# Altium PCB PCB v0.3.PcbDoc (part 2 of 2) (continued)
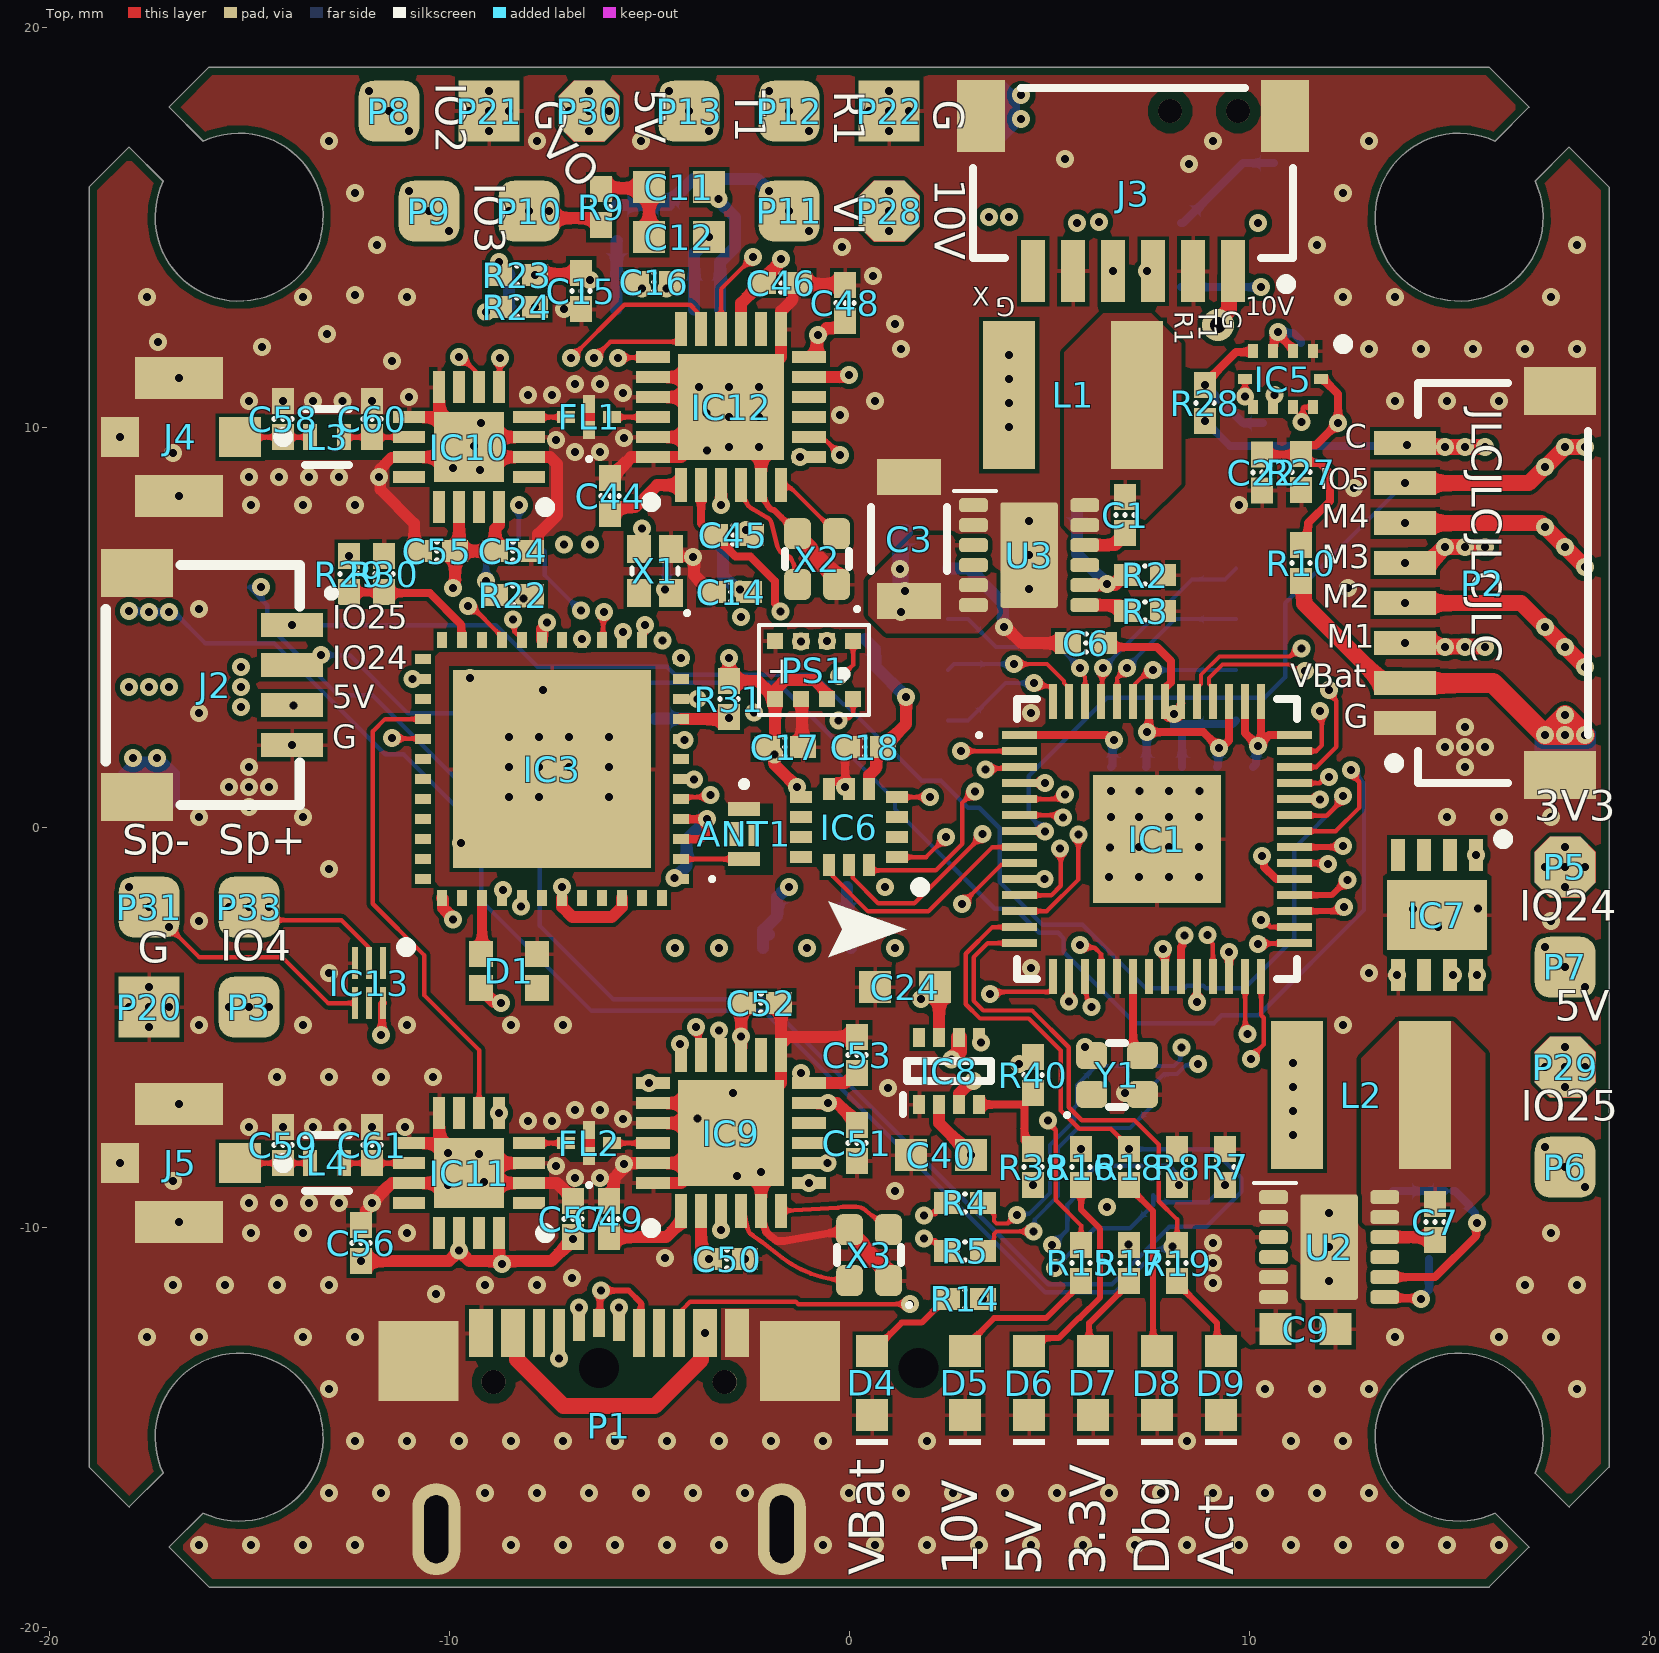
[diagram p0: Top view]
## Nets (pads, with @x,y where several pads share a name; then routed paths per layer and width w, separated by ;. In a path a pad name is that pad's centre, name@x,y a point inside that pad or via, vN(x,y) a via of type N, cw(c..) or ccw(c..) an arc to the next point about the centre after c; other vN are vias at no path point) (continued)
M4: IC1.35 P2.6 P19.1 | length 14.9
  Top w0.15: IC1.35@11.138,-0.5 12.311,-0.5 v1(12.345,-0.467)
  Top w0.4: v1(13.9,7.6) 17.3,7.6 v1(18.4,6.5)
  Signal 3 w0.15: v1(12.345,-0.467) 12.405,-0.467 12.975,0.103 12.975,6.675 v1(13.9,7.6)
  other v1: 17.9,7 17.4,7.5
NetANT1_4: ANT1.4 IC3.2 | length 1.6
  Top w0.125: IC3.2@-4.2,-0.8 ANT1.4@-2.625,-0.8
NetC1_1: C1.1 U3.9 | length 1.2
  Top w0.3: U3.9@5.89,7.05 6.65,7.05 6.9,7.3 C1.1@6.9,7.35
NetC1_2: C1.2 L1.1 U3.7 U3.8
NetC7_1: C7.1 U2.9 | length 1.3
  Top w0.3: U2.9@13.39,-10.25 14.575,-10.25 C7.1@14.65,-10.325
NetC7_2: C7.2 L2.1 U2.7 U2.8
NetC11_1: C11.1 IC4.26 | length 3.1
  Bottom w0.3: v1(-3.272,15.706) -3.272,15.665 -2.85,15.244 -2.85,14.503 -3.225,14.128 IC4.26@-3.225,12.938
NetC11_2: C11.2 C12.2 R9.2 | length 2.5
  Top w0.3: R9.2@-6.2,15.95 -6.175,15.975 -5.025,15.975 C11.2@-5,16 C12.2@-5,14.75
NetC12_1: C12.1 IC4.25 | length 2
  Bottom w0.3: IC4.25@-3.875,12.938 -3.875,14.334 -3.5,14.709 v1(-3.5,14.75)
NetC13_1: C13.1 IC4.22 | length 1.7
  Bottom w0.3: IC4.22@-5.825,12.938 -5.813,12.95 -5.813,14.638 C13.1@-5.8,14.65
NetC23_2: C23.2 C25.2 IC1.23 IC1.45 IC1.50 | length 11.6
  Top w0.2: IC1.50@7.5,3.138 7.5,2.493 7.45,2.443 v1(7.45,2.375) 8.857,2.375 8.874,2.358 v1(9.25,1.982) ; IC1.23@8.3,-3.738 8.3,-3.001 8.338,-2.963 8.338,-2.756 v1(8.386,-2.709) ; v1@9.25,1.918 9.5,2.168 IC1.45@9.5,3.138
  Power 5/VBat w0.2: v1(8.386,-2.709) 8.386,-2.641 8.51,-2.516 8.51,-2.513 9.25,-1.773 v1(9.25,1.982)
  Bottom w0.2: C25.2@7.425,1.5 7.438,1.512 7.438,2.363 v1(7.45,2.375) ; C23.2@9.2,1.5 9.225,1.525 9.225,1.957 v1(9.25,1.982)
NetC31_1: C31.1 IC3.9 R31.1 | length 3.1
  Top w0.3: IC3.9@-4.2,2.7 -3.05,2.7 R31.1@-3,2.75 v1(-3,2.725)
  Bottom w0.3: C31.1@-4.85,2.7 -4.837,2.712 -4.01,2.712 -3.997,2.7 -3.025,2.7 v1(-3,2.725)
NetC44_2: C44.2 IC12.1 | length 2.1
  Top w0.3: C44.2@-5.975,7.825 -5.975,7.875 -5.85,8 -5.35,8 -4.8,8.55 IC12.1@-4.2,8.55
NetC45_2: C45.2 C48.2 IC12.2 IC12.12 | length 13.2
  Top w0.2: IC12.2@-3.7,8.55 -3.7,7.592 -3.583,7.475 -3.525,7.475 C45.2@-3.35,7.3 -3.3,7.3 -3.125,7.125 -3.125,7.054 -2.838,6.767 -2.471,6.767 -1.852,6.148 -1.852,5.595 -1.718,5.461 v1(-1.718,5.394)
  Top w0.3: IC12.12@-1,11.75 -0.804,11.75 -0.804,12.273 v1(-0.775,12.302) ; v1@-0.775,12.3 -0.736,12.3 -0.561,12.475 -0.225,12.475 -0.1,12.6 C48.2@-0.1,12.65
  Power 5/VBat w0.2: v1(-1.718,5.394) -1.718,5.461 -0.775,6.404 v1(-0.775,12.302)
NetC49_2: C49.2 IC9.1 | length 2.2
  Top w0.3: C49.2@-6,-10.25 -4.575,-10.25 -4.2,-9.875 IC9.1@-4.2,-9.6
NetC50_2: C50.2 C53.2 IC9.2 IC9.12 | length 8.8
  Top w0.3: IC9.2@-3.7,-9.6 -3.7,-10.65 -3.55,-10.8 v1(-3.5,-10.8) ; v1(-1.198,-6.152) -1.17,-6.181 -1.17,-6.4 -0.101,-6.4 -0.026,-6.325 0.075,-6.325 0.2,-6.2 C53.2@0.2,-6.15
  Power 5/VBat w0.3: v1(-3.5,-10.8) -3.5,-10.759 -3.7,-10.559 -3.7,-8.654 -2.424,-7.378 v1(-1.198,-6.152)
NetC58_1: C58.1 J4.1 L3.2 | length 1.8
  Top w0.125: J4.1@-15.225,9.75 C58.1@-14.15,9.75 L3.2@-13.475,9.75
NetC59_1: C59.1 J5.1 L4.2 | length 1.7
  Top w0.125: J5.1@-15.225,-8.4 L4.2@-13.475,-8.4
NetC60_1: C60.1 IC10.10 L3.1 | length 1.6
  Top w0.125: L3.1@-12.625,9.75 C60.1@-11.925,9.75 IC10.10@-11,9.75
NetC61_1: C61.1 IC11.10 L4.1 | length 1.6
  Top w0.125: L4.1@-12.625,-8.4 IC11.10@-11,-8.4
NetD1_4: D1.4 IC3.39 | length 1.4
  Top w0.25: D1.4@-9.2,-3.175 -9.175,-3.15 IC3.39@-9.175,-1.775
NetD4_2: D4.2 R14.1 | length 2.4
  Top w0.15: D4.2@0.6,-13.1 1.312,-12.387 1.813,-12.387 2.4,-11.8 R14.1@2.45,-11.8
NetD5_2: D5.2 R15.1 | length 3.8
  Top w0.15: D5.2@2.8,-13.1 3.623,-12.277 4.923,-12.277 5.8,-11.4 R15.1@5.8,-11.35
NetD6_2: D6.2 R16.1 | length 5.4
  Top w0.15: D6.2@4.4,-13.1 4.725,-12.775 5.239,-12.775 5.747,-12.267 5.769,-12.267 6.277,-11.759 6.277,-10.041 5.8,-9.564 R16.1@5.8,-8.95
NetD7_2: D7.2 R17.1 | length 2.2
  Top w0.15: D7.2@6,-13.1 6,-12.4 7,-11.4 R17.1@7,-11.35
NetD8_2: D8.2 R18.1 | length 4.4
  Top w0.15: R18.1@7,-8.95 7,-9 7.6,-9.6 D8.2@7.6,-13.1
NetD9_2: D9.2 R19.1 | length 2.2
  Top w0.15: R19.1@8.2,-11.35 8.2,-11.4 9.2,-12.4 D9.2@9.2,-13.1
NetFL1_4: FL1.4 IC12.22 | length 1
  Top w0.125: FL1.4@-5.925,10.25 IC12.22@-4.9,10.25
NetFL2_4: FL2.4 IC9.22 | length 1
  Top w0.125: FL2.4@-5.925,-7.9 IC9.22@-4.9,-7.9
NetIC1_20: IC1.20 Y1.3 | length 2.1
  Top w0.2: IC1.20@7.1,-3.738 7.1,-5.48 7.332,-5.713 Y1.3@7.337,-5.713
NetIC1_51: IC1.51 IC2.7 | length 3.1
  Top w0.1: IC1.51@7.1,3.138 7.15,3.188 7.15,3.576 7.502,3.927 v1(7.593,3.927)
  Bottom w0.1: v1(7.593,3.927) 9.672,3.927 IC2.7@9.675,3.93
NetIC1_52: IC1.52 IC2.6 | length 4.2
  Top w0.1: IC1.52@6.7,3.138 6.7,3.725 v1(6.95,3.975)
  Bottom w0.1: v1(6.95,3.975) 6.95,3.998 8.152,5.2 IC2.6@9.675,5.2
NetIC1_53: IC1.53 IC2.5 | length 5.2
  Top w0.1: IC1.53@6.3,3.138 6.325,3.163 6.325,3.948 v1(6.35,3.973)
  Bottom w0.1: v1(6.35,3.973) 8.572,6.195 9.4,6.195 IC2.5@9.675,6.47
NetIC1_54: IC1.54 IC2.3 | length 4.7
  Top w0.1: v1(5.773,3.973) 5.773,3.878 5.9,3.751 IC1.54@5.9,3.138
  Bottom w0.1: IC2.3@2.475,5.2 2.975,5.2 3.675,4.5 5.246,4.5 v1(5.773,3.973)
NetIC1_55: IC1.55 IC2.2 | length 3.7
  Top w0.1: v1(4.125,4.075) 4.951,4.075 5.377,3.649 5.377,3.598 5.5,3.475 IC1.55@5.5,3.138
  Bottom w0.1: IC2.2@2.475,3.93 2.62,4.075 v1(4.125,4.075)
NetIC1_56: IC1.56 IC2.1 R6.1 R20.2 | length 18.1
  Top w0.1: v1(4.625,3.6) 4.72,3.6 4.794,3.525 5.05,3.525 5.1,3.475 IC1.56@5.1,3.138
  Signal 3 w0.2: v1(4.625,3.6) 5.998,4.973 5.998,10.21 9.288,13.5 v1(10.3,13.5)
  Bottom w0.1: IC2.1@2.475,2.66 2.975,2.66 3.915,3.6 v1(4.625,3.6)
  Bottom w0.2: R20.2@8.3,13.5 R6.1@10.2,13.5
NetIC3_23: IC3.23 R29.1 R30.1 | length 3.5
  Top w0.2: R29.1@-12.5,5.875 R30.1@-11.625,5.875 ; R30.1@-11.625,5.85 -10.484,5.85 -9.7,5.066 -9.7,4.7 IC3.23@-9.675,4.675
NetIC4_5: IC4.5 X1.1 | length 1.1
  Bottom w0.2: v1(-4.598,5.943) -4.561,5.98 -4.561,7.026 IC4.5@-4.525,7.062
NetIC4_6: IC4.6 X1.3
  other v1: -5.175,7.469
NetIC4_12: IC4.12 R22.1 | length 1.4
  Top w0.15: v1(-9.075,6.15) -9.075,6 -8.875,5.8 R22.1@-8.85,5.8
  Bottom w0.15: v1(-9.075,6.15) IC4.12@-9.075,7.062
NetIC4_17: IC4.17 R24.1
  other v1: -9.075,12.875
NetIC4_18: IC4.18 R23.1 | length 1.3
  Bottom w0.3: v1(-8.75,14.125) -8.75,14.084 -8.5,13.834 -8.5,13.013 IC4.18@-8.425,12.938
NetIC8_4: IC8.4 R38.2 R40.2 | length 2.3
  Top w0.2: IC8.4@3.25,-6.938 4.312,-6.938 4.38,-7.006 4.38,-7.83 R38.2@4.6,-8.05
NetIC9_4: IC9.4 X3.1 | length 3.4
  Top w0.11: IC9.4@-2.7,-9.6 -2.605,-9.798 -2.525,-10.075 ccw(c-2.35,-10.025) -2.455,-10.173 -2.402,-10.211 cw(c-2.466,-10.301) -2.4,-10.212 -2.243,-10.33 ccw(c-1.977,-9.973) -2.19,-10.364 cw(c-2.275,-10.525) -2.185,-10.367 -2.168,-10.375 -2.154,-10.389 -1.671,-10.763 ; -1.67,-10.763 ccw(c0.012,-8.586) -0.156,-11.332 X3.1@0.012,-11.338
NetIC9_6: IC9.6 X3.3 | length 2.9
  Top w0.11: IC9.6@-1.7,-9.6 -1.605,-9.594 -0.285,-9.513 ccw(c-0.292,-9.403) -0.26,-9.509 cw(c-0.156,-9.844) -0.156,-9.493 0.181,-9.493 cw(c0.181,-9.844) 0.404,-9.573 0.819,-9.909 X3.3@0.987,-10.063
NetIC12_4: IC12.4 X2.1 | length 3
  Top w0.11: IC12.4@-2.7,8.55 -2.605,8.18 -2.532,8.05 -2.462,7.979 -2.414,7.952 -2.034,7.733 cw(c-2.125,7.575) -1.949,7.621 -1.796,7.031 ccw(c-1.456,7.119) -1.527,6.775 cw(c-1.55,6.668) -1.453,6.72 cw(c-2.676,6.062) -1.305,6.281 X2.1@-1.288,6.062
NetIC12_6: IC12.6 X2.3 | length 1.9
  Top w0.11: IC12.6@-1.7,8.55 cw(c-1.7,8.128) -1.401,8.426 X2.3@-0.313,7.337
NetR1_1: R1.1 R2.2 U3.11 | length 3.4
  Top w0.3: U3.11@5.89,6.05 6.65,6.05 6.9,6.3 R2.2@6.95,6.3
  Bottom w0.3: R1.1@5.7,8.05 5.7,6.825 v1(6.45,6.075)
NetR3_2: R3.2 U3.12 | length 1.1
  Top w0.3: U3.12@5.89,5.55 6.75,5.55 6.9,5.4 R3.2@6.95,5.4
NetR11_1: R11.1 R12.2 U2.11 | length 5.4
  Top w0.2: U2.11@13.39,-11.25 14.646,-11.25 15.677,-10.219 15.677,-9.937 v1@15.7,-9.914
  Bottom w0.2: R11.1@13.6,-9.1 R12.2@14.9,-9.1 ; R12.2@15.1,-9.1 15.15,-9.1 15.5,-9.45 15.5,-9.5 15.652,-9.652 15.652,-9.852 v1(15.7,-9.9)
NetR13_2: R13.2 U2.12 | length 2
  Top w0.2: U2.12@13.39,-11.75 13.415,-11.775 14.275,-11.775 v1(14.3,-11.8)
  Bottom w0.2: v1(14.3,-11.8) 14.3,-11.767 14.5,-11.567 R13.2@14.5,-10.8
NetR20_1: R20.1 S1.2 | length 2.9
  Bottom w0.2: R20.1@8.3,15.1 8.35,15.1 9.85,16.6 S1.2@10.625,16.6
OSD_SS: IC1.16 IC4.8 | length 20.5
  Top w0.11: v1(5.5,-4.36) IC1.16@5.5,-3.738
  Signal 2 w0.11: v1(-6.475,7.062) -5.137,7.062 -2.373,4.298 v1(-2.373,2.86)
  Signal 3 w0.11: v1(-2.373,2.86) -1.939,2.426 -0.827,2.426 4.142,-2.543 6.235,-2.543 6.532,-2.84 6.532,-3.328 v1(5.5,-4.36)
PWR_RXEN: IC3.29 IC10.6 | length 12
  Top w0.11: v1(-11.425,2.225) -11.412,2.212 -10.662,2.212 IC3.29@-10.65,2.2 ; v1(-9.75,11.752) -9.695,11.752 -9.345,11.402 -9.345,11.095 IC10.6@-9.25,11
  Signal 2 w0.11: v1(-11.425,2.225) -11.425,8.325 -9.75,10 v1(-9.75,11.752)
PWR_RXEN2: IC3.28 IC11.6 | length 12
  Top w0.11: IC3.28@-10.65,2.7 -11.6,2.7 -11.907,2.393 -11.907,-1.918 -10.625,-3.2 -10.625,-4.2 -9.25,-5.575 IC11.6@-9.25,-7.15
PWR_TXEN: IC3.17 IC10.5 | length 8.6
  Top w0.11: IC10.5@-8.75,11 -8.737,11.012 -8.737,11.715 v1(-8.725,11.727) ; IC3.17@-6.675,4.675 v1(-6.675,4.7)
  Signal 2 w0.11: v1(-8.725,11.727) -8.725,6.867 -6.783,4.924 -6.783,4.9 -6.675,4.792 v1(-6.675,4.7)
PWR_TXEN2: IC3.21 IC11.5 | length 15.1
  Top w0.11: v1(-9.527,5.532) -9.45,5.532 -8.745,4.827 -8.745,4.745 IC3.21@-8.675,4.675
  Signal 2 w0.11: v1(-9.527,5.532) -10.507,4.552 -10.507,-5.391 v1(-8.748,-7.15)
RST: IC3.15 IC9.3 IC12.3 | length 23.4
  Top w0.11: IC3.15@-5.675,4.675 -5.675,4.854 v1(-5.652,4.877)
  Top w0.3: v1(-3.206,8.052) -3.2,8.057 IC12.3@-3.2,8.55
  Signal 2 w0.11: v1(-5.652,4.877) -5.593,4.818 -5.593,-4.907 -3.35,-7.15 -3.35,-9.843 -3.198,-9.995 v1(-3.198,-10.078)
  GND Bottom w0.11: v1(-5.652,4.877) -4.568,3.793 -4.007,3.793 -3.4,4.4 -3.4,7.817 -3.206,8.011 v1(-3.206,8.052)
SCK: IC3.14 IC9.18 IC12.18 | length 22.7
  Top w0.11: v1(-6.375,11.727) -5.968,12.134 -4.295,12.134 -4.2,12.229 IC12.18@-4.2,12.45 ; IC3.14@-5.175,4.675 -5.139,4.711 -5.139,5.018 v1(-5.103,5.054) ; v1(-4.227,-5.419) -4.2,-5.446 IC9.18@-4.2,-5.7
  Signal 2 w0.11: v1(-5.103,5.054) -5.103,-4.543 v1(-4.227,-5.419)
  GND Bottom w0.11: v1(-6.375,11.727) -5.968,12.134 -5.606,12.134 -5.218,11.746 -5.218,8.088 -5.582,7.724 -5.582,5.533 v1@-5.107,5.059
SD_SS: CS1.2 IC1.28 | length 17.8
  Top w0.11: v1(10.05,-5.8) 10.05,-5.748 10.363,-5.435 10.363,-4.764 10.3,-4.701 IC1.28@10.3,-3.738
  Signal 3 w0.11: v1(-4.35,-3.025) -3.288,-4.087 -3.275,-4.087 -2.387,-4.975 8.392,-4.975 9.217,-5.8 v1(10.05,-5.8)
SDMISO: CS1.7 IC1.15 | length 4.8
  Top w0.11: v1(3.525,-4.177) 3.582,-4.12 5.055,-4.12 5.1,-4.076 IC1.15@5.1,-3.738
  Signal 3 w0.11: v1(1.15,-3.025) 2.302,-4.177 v1(3.525,-4.177)
SDMOSI: CS1.3 IC1.18 | length 10.6
  Top w0.11: v1(5.767,-2.95) 5.832,-3.015 6.144,-3.015 6.3,-3.171 IC1.18@6.3,-3.738
  Signal 3 w0.11: v1(-3.25,-3.025) -3.175,-3.025 -3.016,-3.185 -1.785,-3.185 -1.219,-2.618 2.241,-2.618 2.573,-2.95 v1(5.767,-2.95)
SDSCLK: CS1.5 IC1.17 | length 8.8
  Top w0.11: IC1.17@5.9,-3.738 5.945,-3.783 5.945,-4.291 6.06,-4.406 v1(6.06,-4.498)
  Signal 3 w0.11: v1(-1.05,-3.025) 0.7,-4.775 5.746,-4.775 6.022,-4.498 v1(6.06,-4.498)
Spk+: IC1.9 IC13.2 P33.1 P33.2 | length 25.8
  Top w0.11: v1(-14.5,-2) -14.5,-2.144 -14.318,-2.326 -12.692,-2.326 -12.02,-2.998 -12.02,-3.38 IC13.2@-12,-3.4 ; v1(2.823,-1.921) 3.799,-0.945 4.217,-0.945 IC1.9@4.262,-0.9
  GND Bottom w0.11: v1(-14.5,-2) -12.625,-2 -8.725,-5.9 -2.55,-5.9 -2,-5.35 1.429,-1.921 v1(2.823,-1.921)
  other v1: -15.5,-2 -15,-2
Spk-: IC13.4 P31.1 P31.2 | length 5.4
  Top w0.11: v1(-17,-2.5) -16.25,-3.25 -14.175,-3.25 -13.025,-4.4 IC13.4@-12.35,-4.4
  other v1: -17.5,-2 -18,-1.5
SWCLK: IC1.24 P37.1 | length 24.7
  Top w0.11: v1(8.695,-4.368) 8.697,-4.365 8.697,-3.741 IC1.24@8.7,-3.738
  Signal 2 w0.11: v1(3.5,15.25) v1(4,15.25) 5,14.25 5,9.25 3.468,7.718 3.468,3.432 3.832,3.068 3.832,-0.824 5.551,-2.543 6.668,-2.543 7.583,-3.458 7.798,-3.458 8.695,-4.354 v1(8.695,-4.368)
SWDIO: IC1.25 P35.1 | length 21.6
  Top w0.11: v1(8.962,-2.7) 8.962,-2.792 9.093,-2.923 9.093,-3.731 IC1.25@9.1,-3.738
  Signal 2 w0.11: v1(6.25,15.125) 6.315,15.06 6.481,15.06 6.484,15.057 6.867,15.057 8.493,13.431 8.493,8.204 9.717,6.98 9.717,-1.945 9.5,-2.162 v1(8.962,-2.7)
  Signal 2 w0.2: v1(5.7,15.1) 5.712,15.112 6.238,15.112 v1(6.25,15.125)
U1RX: IC1.12 J3.4 P12.1 P12.2 | length 28.4
  Top w0.11: IC1.12@4.262,-2.1 4.942,-2.1 5.733,-1.309 v1(5.733,-0.187)
  Signal 2 w0.11: v1(5.733,-0.187) 5.733,-0.095 5.803,-0.026 5.803,1.653 5.166,2.29 5.166,7.241 6.6,8.675 v1(6.6,13.9)
  Signal 3 w0.11: v1(-2,18.4) v1(-1,17.4) 0.424,17.4 3.924,13.9 v1(6.6,13.9)
  other v1: -1.5,17.9
U1TX: IC1.11 J3.3 P13.1 P13.2 | length 32.6
  Top w0.11: IC1.11@4.262,-1.7 4.269,-1.707 5.052,-1.707 5.291,-1.469 5.291,-0.556 v1(5.275,-0.54)
  Signal 2 w0.11: v1(5.275,-0.54) 5.329,-0.594 5.902,-0.594 6.14,-0.356 6.14,1.598 5.366,2.372 5.366,6.666 7.448,8.748 v1(7.448,13.9)
  Signal 3 w0.11: v1(-4.5,18.4) v1(-4,17.9) v1(-3.5,17.4) -2.076,17.4 1.831,13.493 7.041,13.493 v1(7.448,13.9)
USB5V: D3.5 IC8.6 P1.2 P1.11 | length 22.8
  Top w0.4: P1.2@-8.4,-12.65 -8.3,-12.75 -8.3,-13.312 -7.137,-14.475 -4.863,-14.475 -3.7,-13.312 -3.7,-12.75 v1(-3.6,-12.65) ; v1(2.557,-5.814) 2.557,-5.805 2.75,-5.612 IC8.6@2.75,-5.262
  Signal 2 w0.2: v1(2.557,-5.814) 3.096,-5.814 3.116,-5.834 3.509,-5.834 4.524,-6.849 4.524,-7.534 6.453,-9.463 v1(6.453,-9.499)
  Power 5/VBat w0.4: v1(-3.6,-12.65) 2.557,-6.493 v1(2.557,-5.814)
VBAT: C3.2 C4.2 C9.2 C10.2 P2.2 P32.1 R10.2 R14.2 U2.3 U2.5 U2.6 U3.3 U3.5 U3.6 | length 18.4
  Top w0.4: R10.2@11.325,6.218 11.375,6.168 11.375,5.588 13.263,3.7 13.8,3.7 P2.2@13.9,3.6
  Top w0.5: P2.2@13.9,3.6 16.1,3.6 v1(17.4,2.3) ; v1(17.4,2.3) v1(17.9,2.8) ; v1(17.4,2.3) v1(17.9,2.3) ; v1(17.9,2.3) v1(18.4,2.3) v1(17.9,2.8) ; v1(17.9,2.3) v1(17.9,2.8)
  Signal 2 w0.15: v1(3.35,-11.8) 8.7,-11.8 v1(9.1,-11.4)
  Bottom w0.4: v1@1.399,5.912 1.285,6.026 1.285,6.44 v1(1.275,6.45) 1.285,6.46 1.285,7.275 1.383,7.374 C4.2@1.399,7.374
  other v1: 9.1,-10.9 9.1,-10.4 1.298,5.375 1.399,5.899
Vbat_ADC: IC1.41 IC5.8 IC5.9 | length 10.1
  Top w0.11: IC1.41@11.138,1.9 11.139,1.901 11.676,1.901 11.819,2.044 11.819,2.856 v1(11.775,2.9) ; v1(11.307,10.126) 11.35,10.169 11.35,10.5 IC5.9@11.6,10.5
  GND Bottom w0.11: v1(11.307,10.126) 11.307,10.052 10.9,9.645 10.9,3.706 11.706,2.9 v1(11.775,2.9)
Vbat_HI: C22.2 D12.1 IC5.10 R10.1 R27.2 | length 6.4
  Top w0.2: C22.2@10.325,9.313 11.3,9.313 R27.2@11.3,9.325 ; R10.1@11.3,7.05 11.475,7.225 11.475,7.6 12.027,8.152 12.027,8.848 11.775,9.1 11.475,9.1 R27.2@11.3,9.275 ; R27.2@11.3,9.55 11.675,9.55 v1(12.225,10.1) 12.225,10.825 11.85,11.2 IC5.10@11.8,11.2
"Video In": C13.2 P11.1 P11.2 R21.1 | length 4.9
  Bottom w0.3: C13.2@-5.8,15.55 R21.1@-4.5,15.55 -4.5,15.6 -3.892,16.208 -2.308,16.208 v1(-1.5,15.4)
  other v1: -1,14.9 -2,15.9
"Video Out": P10.1 P10.2 R9.1 | length 2
  Top w0.3: v1(-8,15.4) -7.825,15.225 -6.325,15.225 -6.2,15.1 R9.1@-6.2,15.05
  other v1: -8.5,15.4 -7.5,15.4
pads on no net: ANT1.2 ANT1.6 CS1.1 CS1.8 CS1.9 CS1.x D1.1 IC1.21 IC3.7 IC3.11 IC3.18 IC3.22 IC3.24 IC3.25 IC3.27 IC3.30 IC3.31 IC3.32 IC3.33 IC3.34 IC3.35 IC3.36 IC3.38 IC3.42 IC3.44 IC3.45 IC3.47 IC3.48 IC4.7 IC4.13 IC4.14 IC4.15 IC4.16 IC4.27 IC4.28 IC6.2 IC6.3 IC6.9 IC6.10 IC6.11 IC7.2 IC7.3 IC7.4 IC7.6 IC8.8 IC9.9 IC9.10 IC9.14 IC10.1 IC10.7 IC10.12 IC10.13 IC10.15 IC11.1 IC11.7 IC11.12 IC11.13 IC11.15 IC12.9 IC12.10 IC12.14 IC13.1 IC13.5 J3.6 P1.3 P1.9 P1.17 S1. U2.4 U2.10 U3.4 U3.10 X1.2 Y1.1

## Polygon pours and split planes (outlines as drawn)
GND on Bottom "GND_L08_P014" (solid, pour order 14): -18,-17 -17.148,-16.148 cw(c-15.25,-15.25) -16.148,-17.148 -17,-18 -16,-19 16,-19 17,-18 16.148,-17.148 cw(c15.25,-15.25) 17.148,-16.148 18,-17 19,-16 19,16 18,17 17.148,16.148 cw(c15.25,15.25) 16.148,17.148 17,18 16,19 -16,19 -17,18 -16.148,17.148 cw(c-15.25,15.25) -17.148,16.148 -18,17 -19,16 -19,-16
5V_Buck on Bottom "5V_BUCK_L08_P004" (solid, pour order 4): 11.025,-5.375 10.15,-6.25 10.15,-7.35 11.1,-8.3 13.9,-8.3 14.125,-8.075 14.125,-6.675 12.825,-5.375 12.025,-5.375
10V on Bottom "10V_L08_P000" (solid, pour order 0): 3.175,12.925 2,11.75 2,10.2 3.775,8.425 6.175,8.425 6.475,8.725 6.475,11.55 5.1,12.925
GND on Top "GND_L01_P010" (solid, pour order 10): -18,-17 -17.148,-16.148 cw(c-15.25,-15.25) -16.148,-17.148 -17,-18 -16,-19 16,-19 17,-18 16.148,-17.148 cw(c15.25,-15.25) 17.148,-16.148 18,-17 19,-16 19,16 18,17 17.148,16.148 cw(c15.25,15.25) 16.148,17.148 17,18 16,19 -16,19 -17,18 -16.148,17.148 cw(c-15.25,15.25) -17.148,16.148 -18,17 -19,16 -19,-16
VBAT on Top "VBAT_L01_P006" (solid, pour order 6): 11.125,-10.05 8.675,-10.05 8.675,-11.6 10.125,-13.05 10.8,-13.05 11.3,-12.55 11.3,-10.225
NetC7_2 on Top "NETC7_2_L01_P005" (solid, pour order 5): 13.725,-4.85 12.8,-5.775 12.8,-9.85 12.9,-9.95 15.125,-9.95 15.9,-9.175 15.9,-5.65 15.1,-4.85
VBAT on Top "VBAT_L01_P003" (solid, pour order 3): 1.6,7.3 3.475,7.3 3.8,6.975 3.8,5.425 3.225,4.85 0.925,4.85 0.475,5.3 0.475,6.175
NetC1_2 on Top "NETC1_2_L01_P002" (solid, pour order 2): 6.35,12.85 5.375,11.875 5.375,7.55 5.65,7.275 7,7.275 8.3,8.575 8.3,12.1 7.55,12.85
3V3 on Signal 1/3.3V "3V3_L03_P007" (solid, pour order 7): -18,-17 -17.148,-16.148 cw(c-15.25,-15.25) -16.148,-17.148 -17,-18 -16,-19 16,-19 17,-18 16.148,-17.148 cw(c15.25,-15.25) 17.148,-16.148 18,-17 19,-16 19,16 18,17 17.148,16.148 cw(c15.25,15.25) 16.148,17.148 17,18 16,19 -16,19 -17,18 -16.148,17.148 cw(c-15.25,15.25) -17.148,16.148 -18,17 -19,16 -19,-16
5V_Buck on Power 5/VBat "5V_BUCK_L05_P009" (solid, pour order 9): 11.75,-4.5 3.25,-4.5 2.5,-5.25 2.5,-7.25 3.85,-8.6 11.75,-8.6
5V on Power 5/VBat "5V_L05_P015" (solid, pour order 15): -18,-17 -17.148,-16.148 cw(c-15.25,-15.25) -16.148,-17.148 -17,-18 -16,-19 16,-19 17,-18 16.148,-17.148 cw(c15.25,-15.25) 17.148,-16.148 18,-17 19,-16 19,16 18,17 17.148,16.148 cw(c15.25,15.25) 16.148,17.148 17,18 16,19 -16,19 -17,18 -16.148,17.148 cw(c-15.25,15.25) -17.148,16.148 -18,17 -19,16 -19,-16
VBAT on Power 5/VBat "VBAT_L05_P008" (solid, pour order 8): 14.6,6.8 12.1,6.8 11.6,7.3 1.6,7.3 0.5,6.2 0.5,4.6 2.2,2.9 9.8,2.9 11.75,0.95 11.75,-8.75 9.96,-8.75 8.73,-9.98 8.7,-11.7 10.1,-13.1 11.4,-13.1 14.9,-9.6 14.9,-2.6 18.4,0.9 18.4,3
GND on GND Top "GND_L02_P011" (solid, pour order 11): -18,-17 -17.148,-16.148 cw(c-15.25,-15.25) -16.148,-17.148 -17,-18 -16,-19 16,-19 17,-18 16.148,-17.148 cw(c15.25,-15.25) 17.148,-16.148 18,-17 19,-16 19,16 18,17 17.148,16.148 cw(c15.25,15.25) 16.148,17.148 17,18 16,19 -16,19 -17,18 -16.148,17.148 cw(c-15.25,15.25) -17.148,16.148 -18,17 -19,16 -19,-16
GND on Signal 3 "GND_L06_P016" (solid, pour order 16): -18,-17 -17.148,-16.148 cw(c-15.25,-15.25) -16.148,-17.148 -17,-18 -16,-19 16,-19 17,-18 16.148,-17.148 cw(c15.25,-15.25) 17.148,-16.148 18,-17 19,-16 19,16 18,17 17.148,16.148 cw(c15.25,15.25) 16.148,17.148 17,18 16,19 -16,19 -17,18 -16.148,17.148 cw(c-15.25,15.25) -17.148,16.148 -18,17 -19,16 -19,-16
GND on GND Bottom "GND_L07_P013" (solid, pour order 13): -18,-17 -17.148,-16.148 cw(c-15.25,-15.25) -16.148,-17.148 -17,-18 -16,-19 16,-19 17,-18 16.148,-17.148 cw(c15.25,-15.25) 17.148,-16.148 18,-17 19,-16 19,16 18,17 17.148,16.148 cw(c15.25,15.25) 16.148,17.148 17,18 16,19 -16,19 -17,18 -16.148,17.148 cw(c-15.25,15.25) -17.148,16.148 -18,17 -19,16 -19,-16
GND on Signal 2 "GND_L04_P012" (solid, pour order 12): -18,-17 -17.148,-16.148 cw(c-15.25,-15.25) -16.148,-17.148 -17,-18 -16,-19 16,-19 17,-18 16.148,-17.148 cw(c15.25,-15.25) 17.148,-16.148 18,-17 19,-16 19,16 18,17 17.148,16.148 cw(c15.25,15.25) 16.148,17.148 17,18 16,19 -16,19 -17,18 -16.148,17.148 cw(c-15.25,15.25) -17.148,16.148 -18,17 -19,16 -19,-16

## Other copper
Top:
  pour cut-out: -1.2,0.75 -1,0.95 1,0.95 1.2,0.75 1.2,-0.75 1,-0.95 -1,-0.95 -1.2,-0.75 -1.2,0.25
  pour cut-out: -1.9,0.6 -3.5,0.6 -3.5,-0.3 -3.1,-0.7 -3.1,-1.2 -1.9,-1.2
  pour cut-out: -14.7,10.325 -11.075,10.325 -11,10.25 -11,9.25 -11.075,9.175 -14.7,9.175
  pour cut-out: -14.7,-7.825 -11.075,-7.825 -11,-7.9 -11,-8.9 -11.075,-8.975 -14.7,-8.975
  pour cut-out: -5.825,-7.625 -6.025,-7.425 -6.975,-7.425 -7.225,-7.675 -7.625,-7.675 -7.75,-7.8 -7.75,-8 -7.625,-8.125 -7.225,-8.125 -6.975,-8.375 -6.05,-8.375 -5.825,-8.15
  pour cut-out: -5.825,10.525 -6.025,10.725 -6.975,10.725 -7.225,10.475 -7.625,10.475 -7.75,10.35 -7.75,10.15 -7.625,10.025 -7.225,10.025 -6.975,9.775 -6.05,9.775 -5.825,10
Signal 2:
  pour cut-out: -1.9,0.6 -3.5,0.6 -3.5,-0.3 -3.1,-0.7 -3.1,-1.2 -1.9,-1.2
Power 5/VBat:
  pour cut-out: -1.9,0.6 -3.5,0.6 -3.5,-0.3 -3.1,-0.7 -3.1,-1.2 -1.9,-1.2
Signal 1/3.3V:
  pour cut-out: -1.9,0.6 -3.5,0.6 -3.5,-0.3 -3.1,-0.7 -3.1,-1.2 -1.9,-1.2
Signal 3:
  pour cut-out: -1.9,0.6 -3.5,0.6 -3.5,-0.3 -3.1,-0.7 -3.1,-1.2 -1.9,-1.2
GND Bottom:
  pour cut-out: -1.9,0.6 -3.5,0.6 -3.5,-0.3 -3.1,-0.7 -3.1,-1.2 -1.9,-1.2
GND Top:
  pour cut-out: -1.9,0.6 -3.5,0.6 -3.5,-0.3 -3.1,-0.7 -3.1,-1.2 -1.9,-1.2
Bottom:
  pour cut-out: -1.9,0.6 -3.5,0.6 -3.5,-0.3 -3.1,-0.7 -3.1,-1.2 -1.9,-1.2

## Silkscreen, mask and mechanical layers (free items; w line width, h text height)
Top Overlay:
  region: 1.425,-2.551 -0.525,-3.251 -0.175,-2.551 -0.525,-1.851
  text "IO2" at -10.588,18.613 h1.3 r270
  text "5V" at -5.592,18.453 h1.3 r270
  text "T1" at -3.103,18.405 h1.3 r270
  text "R1" at -0.62,18.407 h1.3 r270
  text "G" at -8.09,18.187 h1.3 r270
  text "G" at 1.862,18.187 h1.3 r270
  text "VO" at -7.942,16.809 h1.3 r315
  text "10V" at 1.887,16.209 h1.3 r270
  text "IO3" at -9.613,16.112 h1.3 r270
  text "VI" at -0.619,15.814 h1.3 r270
  text "G" at 4.15,13.391 h0.8 r180
  text "T1" at 8.575,12.95 h0.8 r270
  text "G" at 9.184,12.925 h0.8 r270
  text "R1" at 7.975,12.9 h0.8 r270
  text "X" at 3.075,12.875 h0.8
  text "10V" at 9.9,12.634 h0.8
  text "JLCJLCJLCJLC" at 15.57,10.455 h0.75 r270
  text "C" at 12.388,9.279 h1
  text "IO5" at 11.762,8.266 h0.9
  text "M4" at 11.821,7.278 h1
  text "M3" at 11.818,6.275 h1
  text "M2" at 11.825,5.283 h1
  text "IO25" at -12.919,4.764 h1
  text "M1" at 11.942,4.29 h1
  text "IO24" at -12.919,3.75 h1
  text "VBat" at 11.027,3.291 h1
  text "5V" at -12.919,2.769 h1
  text "G" at 12.361,2.279 h1
  text "G" at -12.919,1.777 h1
  text "3V3" at 17.129,-0.088 h1.3
  text "Sp-" at -18.168,-0.936 h1.3
  text "Sp+" at -15.771,-0.936 h1.3
  text "IO24" at 16.759,-2.591 h1.3
  text "IO4" at -15.724,-3.588 h1.3
  text "G" at -17.787,-3.638 h1.3
  text "5V" at 17.64,-5.085 h1.3
  text "IO25" at 16.788,-7.588 h1.3
  text "VBat" at 1.175,-18.7 h1.52 r90
  text "10V" at 3.5,-18.7 h1.52 r90
  text "5V" at 5.1,-18.7 h1.52 r90
  text "3.3V" at 6.7,-18.7 h1.52 r90
  text "Dbg" at 8.3,-18.7 h1.52 r90
  text "Act" at 9.9,-18.7 h1.52 r90
Bottom Overlay:
  text "G" at -8.09,17.613 h1.3 r270
  text "G" at 1.862,17.613 h1.3 r270
  text "T1" at -3.103,17.395 h1.3 r270
  text "R1" at -0.62,17.393 h1.3 r270
  text "5V" at 4.362,17.397 h1.3 r270
  text "5V" at -5.592,17.347 h1.3 r270
  text "IO2" at -10.588,17.187 h1.3 r270
  text "VI" at -0.619,14.986 h1.3 r270
  text "VO" at -7.113,14.752 h1.3 r270
  text "IO3" at -9.613,14.688 h1.3 r270
  text "10V" at 1.887,14.591 h1.3 r270
  text "SWCLK" at 4.387,13.946 h1.3 r270
  text "SWDIO" at 6.896,12.774 h1.3 r270
  text "IO5" at 18.609,10.387 h1.3
  text "C" at 15.649,10.361 h1.3
  text "M3" at 16.075,7.888 h1.3
  text "M4" at 18.587,7.881 h1.3
  text "Dbg" at -14.175,7.065 h1.3
  text "Act" at -16.792,6.862 h1.3
  text "M2" at 18.576,5.379 h1.3
  text "M1" at 16.073,5.354 h1.3
  text "R0" at -16.982,4.388 h1.3
  text "T0" at -14.485,4.389 h1.3
  text "G" at 15.687,2.888 h1.3
  text "Bat" at 18.593,2.889 h1.3
  text "G" at -14.713,1.887 h1.3
  text "5V" at -16.947,1.862 h1.3
  text "3V3" at 18.747,-0.088 h1.3
  text "Sp-" at -16.832,-0.936 h1.3
  text "Sp+" at -14.229,-0.936 h1.3
  text "www.bastianspringer.eu" at 13.309,-1.624 h1.6 r270
  text "IO24" at 18.747,-2.591 h1.3
  text "IO4" at -14.276,-3.588 h1.3
  text "G" at -17.213,-3.638 h1.3
  text "5V" at 18.747,-5.085 h1.3
  text "IO25" at 18.747,-7.588 h1.3
  text "github.com/bastian2001/Kolibri-FC" at -12.841,-8.825 h1.6 r270
Outline:
  the board outline again, w0.254
Top Component Outline:
  circle w0.254: c-15.25,15.25 r3.5
  circle w0.254: c15.25,15.25 r3.5
  circle w0.254: c15.25,-15.25 r3.5
  circle w0.254: c-15.25,-15.25 r3.5

## Text inside footprints (layer, text, board x,y; h text height)
PS1: Top Overlay "+" at -2.075,3.583 h0.7